# Altium PCB cheriot-test.PcbDoc (part 3 of 12) (continued)
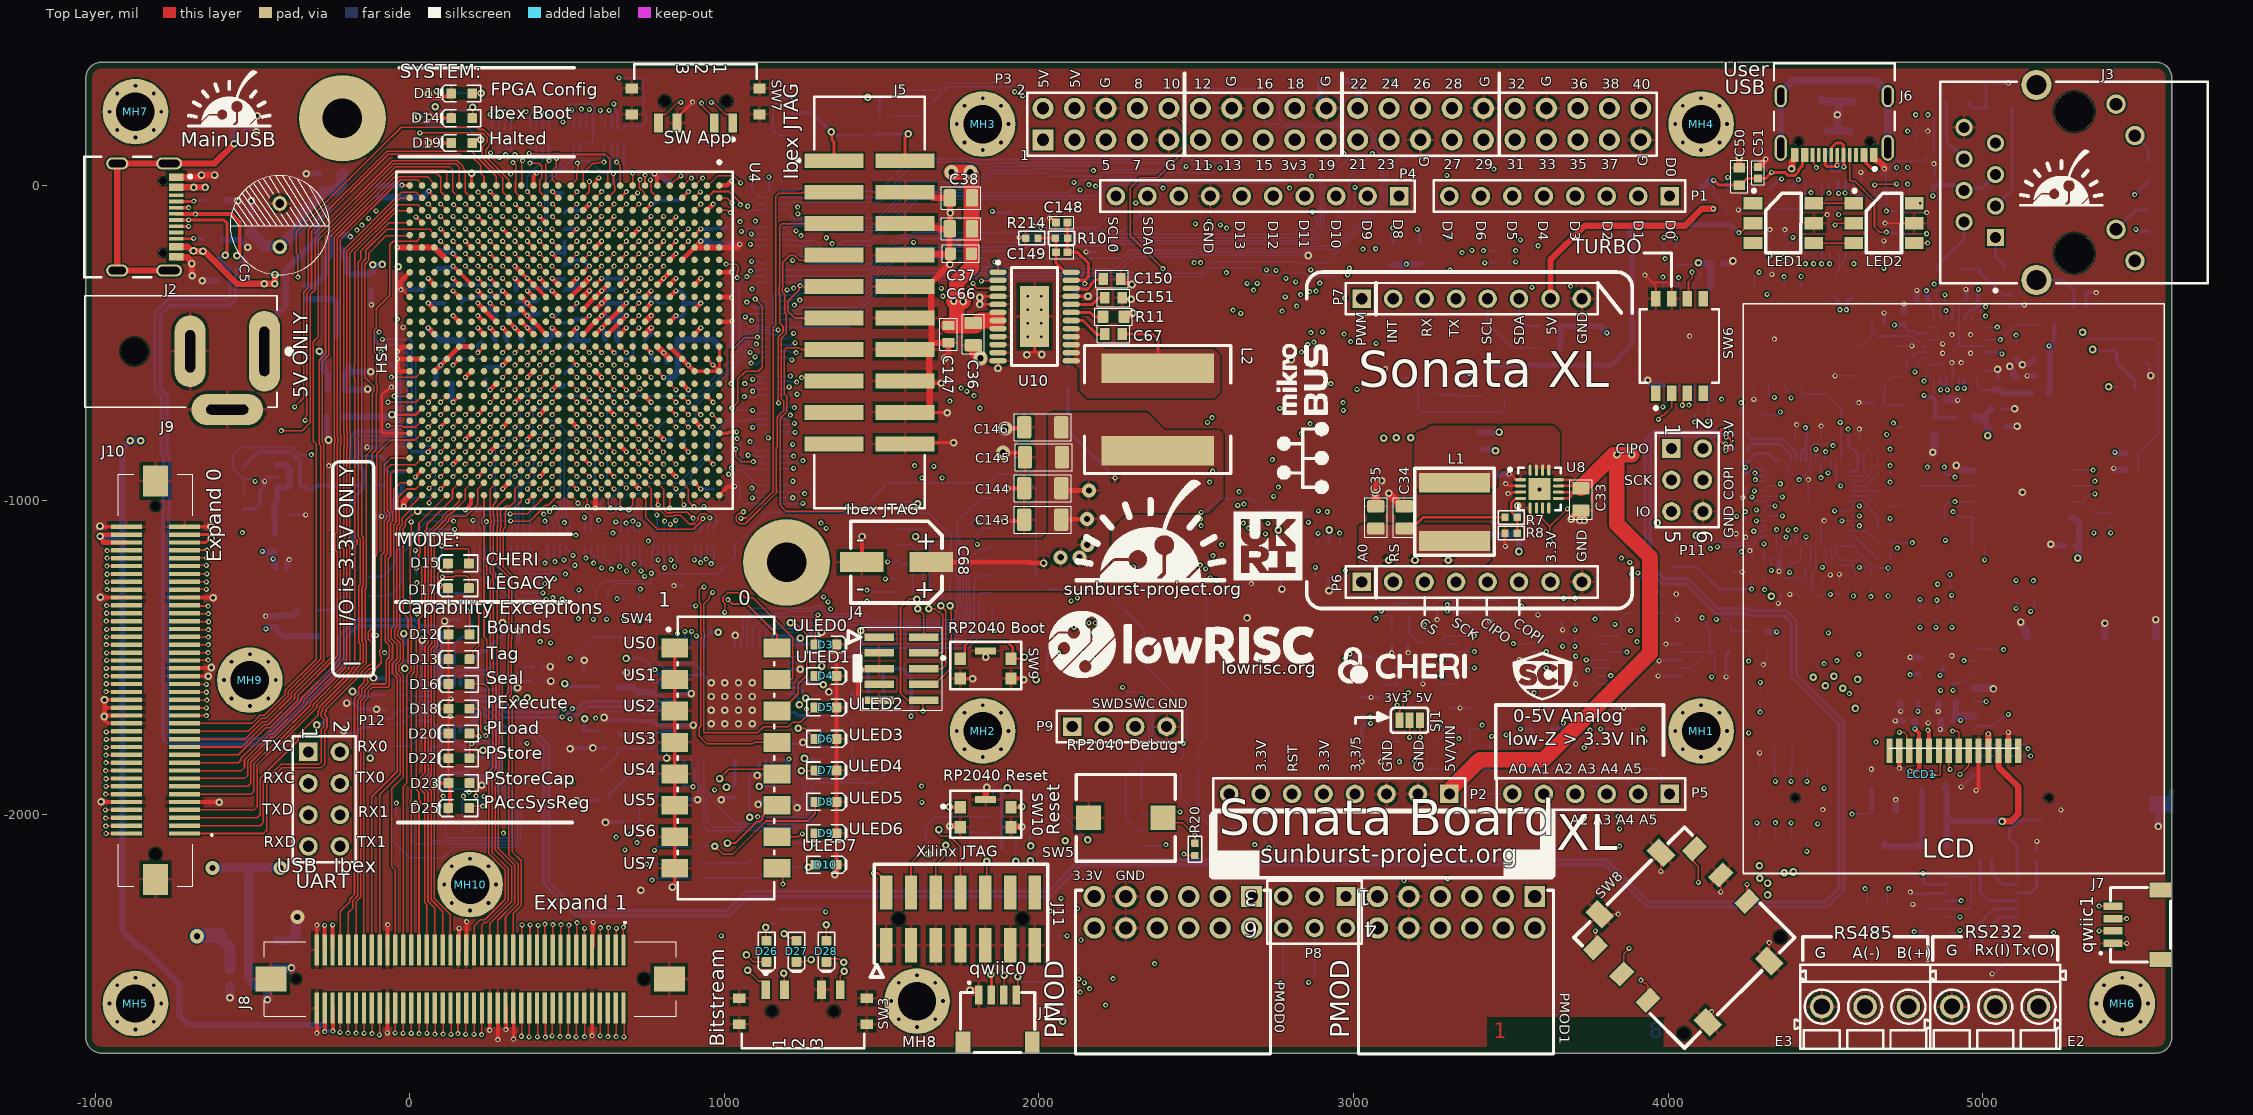
[diagram p0: Top Layer view]
## Nets (pads, with @x,y where several pads share a name; then routed paths per layer and width w, separated by ;. In a path a pad name is that pad's centre, name@x,y a point inside that pad or via, vN(x,y) a via of type N, cw(c..) or ccw(c..) an arc to the next point about the centre after c; other vN are vias at no path point) (continued)
  Bottom Layer w12: v1@255,-374 255.14,-374.14 255.14,-375.86 255,-376 255,-391.22 C22.1@277.17,-413.39 ; v1(454.39,-19.69) 455.47,-19.69 458.52,-22.73 483.73,-22.73 C156.1@486,-25 ; C23.1@492.13,-252.76 498.72,-246.16 514.37,-246.16 523.63,-236.91 551.87,-236.91 v1(570.87,-255.91) 570.96,-256 v1@572,-256 ; C27.1@492.13,-140.95 494.51,-138.56 530.44,-138.56 v1@531,-138 ; v1(4769.28,-1554.5) C121.1@4800.98,-1554.5 ; v1(4793.54,-1671.62) C113.1@4793.54,-1639.92 ; v1(4864.57,-1556.77) 4864.57,-1555.69 4869.39,-1550.87 4869.39,-1537.48 C122.1@4875.98,-1530.88
  Bottom Layer w20: v1(-468,-1163) -467.6,-1163.4 -436.13,-1163.4 L3.1@-428.02,-1163.4 -431.4,-1163.4 -434,-1166 v1(-434,-1187) -428.72,-1192.28 -428.72,-1212.06 C56.1@-426.13,-1214.66 ; v1(-457,-1409) -454.11,-1406.11 C141.1@-423,-1406.11 ; C141.1@-426.44,-1409.56 -403.66,-1432.34 Y2.1@-356.48,-1432.34 Y2.4@-291.52,-1432.34 ; C157.1@-209,-735 -64.08,-735 -57.08,-728 v2@-57,-728 ; C155.1@-98.43,-37.8 41.2,-37.8 v1(61,-18) ; C29.1@89.6,-208.79 131.79,-208.79 v1@141,-218 ; C158.1@133.86,-629.92 133.86,-680.86 v1@138,-685 ; v1@810,-612 836,-612 852.13,-595.87 C28.1@852.13,-489.69 966.06,-489.69 978,-501.62 C111.1@978,-508 ; R206.2@3124.41,-251.65 3165.75,-251.65 v1(3167.72,-249.69) R207.2@3211.02,-249.69 ; U9.3@3421.14,-1110.47 3503.78,-1110.47 3510.24,-1104.02 C30.1@3514.17,-1104.02 3518.11,-1104.02 3522.87,-1108.78 3522.87,-1119.23 3525.05,-1121.4 3525.05,-1162.48 v2(3525.81,-1163.24) ; R208.1@3657.87,-517.4 R209.1@3657.87,-446.54 3785.36,-446.54 3805.21,-466.39 v1(3805.21,-468.11) ; v2(4096.1,-245.74) 4097.18,-245.74 4098.76,-247.32 4135.28,-247.32 C91.1@4137.87,-249.92 4133.51,-254.29 U19.8@4133.51,-325.37 ; L7.1@4314.72,-1415.97 4314.72,-1416.38 4317.32,-1418.98 v1(4344.88,-1418.98) ; C112.1@4784.09,-1699.92 4784.31,-1700.13 v1(4784.31,-1726.82) ; C114.1@4904.09,-1699.92 C114.1@4913.54,-1690.47 ; C115.1@4913.54,-1639.92 C114.1@4913.54,-1690.47 ; SD1.4@4970.88,-1686.69 4967.61,-1683.43 4920.59,-1683.43 C114.1@4913.54,-1690.47 ; C125.1@5007.47,-751.49 5007.47,-730.29 C129.1@5027.87,-709.89 ; v2(5015.98,-794.92) 5015.98,-768.82 C125.1@5018.43,-766.38 ; U17.8@5280.53,-1054.92 5282.81,-1057.2 5294.27,-1057.2 5305.98,-1068.91 C80.1@5305.98,-1144.92 ; C80.1@5294.09,-1144.92 5304.96,-1155.78 5304.96,-1179.59 5301.48,-1183.07 v2(5301.48,-1184.15) ; v1(5419.69,-848.11) 5423.62,-852.05 R193.1@5455.12,-852.05 R193.1@5453.31,-850.24
  Bottom Layer w25: L9.1@4975.98,-734.92 4975.98,-740.43 4976.08,-740.53 4996.52,-740.53 C125.1@5007.47,-751.49
  other v1: -270,-2352 -245,-2350 4823.76,-895.09 601.16,24.07
  other v2: 3112.19,-1190.88 3195.28,-1190.63 3301.16,-1190.88
232_RX: U4.U1 U7.9 | length 6418.2
  Top Layer w5: U4.U1@354.33,0 356.9,2.56 356.9,76.64 v1(359,78.74)
  Int1 (Sign) w5: v1(2742.17,-871.17) 2743.42,-869.92 3636.78,-869.92 3924.44,-1157.58 3973.64,-1157.58 4982.68,-2166.61 4982.68,-2364.87 4979.75,-2367.8 v1(4927.56,-2367.8)
  Int3 (Sign) w5: v1(2542.5,-942.79) 2542.71,-943 2682,-943 2742.04,-882.96 2742.04,-871.3 v1(2742.17,-871.17)
  Int4 (Sign) w5: v1(359,78.74) 359.2,78.54 367.62,78.54 375.58,86.5 388.42,86.5 396.38,78.54 421.19,78.54 434.87,64.87 436.49,63.24 465.16,63.24 491.92,90 735.93,90 796.93,151 1155.57,151 1516.57,-210 1842.8,-210 1845.3,-207.5 1915.15,-207.5 1918.15,-210.5 1955.85,-210.5 1958.85,-207.5 1999.54,-207.5 2002.04,-210 2067.86,-210 2112.86,-255 2222.51,-255 2224.01,-256.5 2269.99,-256.5 2271.49,-255 2381.08,-255 2387.58,-248.5 2400.42,-248.5 2406.92,-255 2408.87,-255 2427.5,-273.63 2427.5,-278.78 2490,-341.28 2490,-774.28 2504,-788.28 2504,-904.5 2542.29,-942.79 v1(2542.5,-942.79)
  Bottom Layer w5: U7.9@4884.25,-2375.67 4916.71,-2375.67 4924.58,-2367.8 v1(4927.56,-2367.8)
232_TX: U4.N4 U7.11 | length 6476.8
  Top Layer w5: U4.N4@511.81,-118.11 v1(531.5,-98.43)
  Int1 (Sign) w5: 2506.78,-1075.53 2490,-1058.75 2490,-991 2521.5,-959.5 2622.04,-959.5 2624.08,-957.46 2636.92,-957.46 2642.92,-957.46 2652,-966.54 2652,-972.54 2652.42,-972.96 2752.42,-972.96 2753.46,-974 2881.73,-974 2897.2,-958.53 3132.47,-958.53 3144.52,-970.58 3478.07,-970.58 3485.07,-963.58 3565.51,-963.58 3582.55,-946.54 3699.25,-946.54 3920.3,-1167.58 3969.5,-1167.58 4557.17,-1755.25 4557.17,-1807.82 4891.48,-2142.14 4891.48,-2288.41 v1(4927.56,-2324.49) ; 2506.83,-1075.53 2512.24,-1080.94 v1(2515.21,-1080.94)
  Int4 (Sign) w5: v1@530,-98 529.57,-98.43 494.43,-98.43 482.07,-86.07 482.07,18.93 491.35,28.21 577.29,28.21 586.37,19.13 586.37,16.94 594.74,8.57 700.19,8.57 724.35,32.73 724.35,41.35 731.87,48.87 751.37,48.87 813.5,111 1139,111 1531,-281 1913.5,-281 1927.5,-295 2205.94,-295 2207.44,-296.5 2286.56,-296.5 2288.06,-295 2310,-295 2357,-342 2357,-1001 2436.91,-1080.91 v1(2515.21,-1080.94)
  Bottom Layer w5: U7.11@4884.25,-2324.49 v1(4927.56,-2324.49)
485_DE: U3.3 U4.T4 | length 6458.8
  Top Layer w5: v1(374.02,-98.43) U4.T4@393.7,-118.11
  Int1 (Sign) w5: v1(2493,-245.23) 2493,-209.5 2575.5,-127 v1@2577,-127
  Int3 (Sign) w5: v1(374.02,-98.43) 348.52,-72.93 348.52,-69.68 351.78,-66.42 351.78,-53.58 348.52,-50.32 348.52,6.26 519.25,177 552,177 579,204 637.58,204 642.19,208.61 665.96,208.61 670.09,212.74 758.46,212.74 765.51,219.78 765.51,315.51 781.36,331.36 ; 782,330.71 1294.29,330.71 1692.5,-67.5 1726.08,-67.5 1737.5,-78.92 1737.5,-92.64 1756.36,-111.5 1774.78,-111.5 1790.78,-127.5 1896.01,-127.5 1914.01,-109.5 1967.97,-109.5 1973.8,-103.67 2011.73,-103.67 2036.06,-128 2097.94,-128 2110.44,-115.5 2285.56,-115.5 2298.32,-128.26 2299.79,-129.73 2303.93,-129.73 2459.69,-112.28 2463.24,-111.85 2490.54,-106.54 2503.38,-106.54 2534.58,-129.73 v1@2573.45,-129.73 ; v1(2577,-125.5) 2577,-128 v1@2580,-131 ; v1(3845.74,-2044.92) 4320.98,-2044.92 v1(4340.98,-2024.92)
  Int6 (Sign) w5: v1(2493,-245.23) 2493,-333.57 2525.92,-366.49 2525.92,-367.5 2534,-375.58 2534,-391.12 2594.62,-451.74 2603.4,-451.74 2615,-463.35 2615,-973 2621,-979 2621,-979.38 2632.81,-991.19 2653.19,-991.19 2668,-1006 2668,-1031.86 2657.18,-1042.68 2624.32,-1042.68 2595,-1072 2595,-1105 2745,-1255 2745,-1282.86 2776.91,-1314.77 2777.1,-1314.77 2868,-1405.67 2868,-1841.94 2945.98,-1919.92 2945.98,-1985.78 2985.13,-2024.92 3820.98,-2024.92 3830.64,-2034.57 3834.17,-2034.57 3844.52,-2044.92 v1(3845.74,-2044.92)
  Bottom Layer w5: U3.3@4340.58,-2071.14 4340.98,-2070.74 v1(4340.98,-2024.92)
485_DI: U3.4 U4.U2 | length 5880.8
  Top Layer w5: v1(328,73) 330,73 336.5,66.5 336.5,12.69 336.4,12.59 336.4,-21.44 U4.U2@354.33,-39.37
  Int3 (Sign) w5: v1(3845.98,-2099.92) 3830.24,-2084.18 3830.24,-2028.59 3833.17,-2025.66 v1(4282,-2025.66)
  Int4 (Sign) w5: v1(328,73) 330.4,73 340.16,63.24 367.84,63.24 375.58,55.5 430.09,55.5 432.35,53.24 658.59,53.24 685.35,80 740.08,80 801.08,141 1151.43,141 1518.43,-226 1700.28,-226 1704.78,-221.5 1845.44,-221.5 1849.44,-217.5 1911.01,-217.5 1958.51,-265 2218.37,-265 2219.87,-266.5 2274.13,-266.5 2275.63,-265 2330,-265 2392.07,-327.07 2392.07,-885.93 2531,-1024.86 2531,-1092.24 v1(2580.5,-1141.74)
  Int6 (Sign) w5: v1(2580.5,-1141.74) 2715.68,-1276.92 2724.92,-1276.92 2858,-1410 2858,-1911.94 2867.7,-1921.63 2867.7,-1949.27 2968.34,-2049.92 3795.98,-2049.92 v1(3845.98,-2099.92)
  Bottom Layer w5: v1(4282,-2025.66) 4282.57,-2025.66 4290.58,-2033.67 U3.4@4290.58,-2071.14
485_REn: U3.2 U4.T3 | length 6395.5
  Top Layer w5: v1(374.02,-59.06) U4.T3@393.7,-78.74
  Int1 (Sign) w5: v1(2514,-245.23) 2514.5,-244.73 2514.5,-218 2596.5,-136 v1(2596.5,-135.5)
  Int3 (Sign) w5: v1(374.02,-59.06) 358.52,-43.56 358.52,-13.26 374.78,3 385,3 405.87,23.87 415.73,23.87 462.36,70.5 472.42,70.5 481.5,79.58 481.5,89.64 585.86,194 641.72,194 646.33,198.61 670.1,198.61 674.23,202.74 762.6,202.74 767.86,208 771.56,208 779.28,215.72 779.28,310.28 788,319 1290,319 1298,311 ; 1298.5,311.5 1698.5,-88.5 1698.5,-95.08 1709.92,-106.5 1716.5,-106.5 1731.5,-121.5 1770.64,-121.5 1786.64,-137.5 1900.15,-137.5 1918.15,-119.5 1972.11,-119.5 1977.94,-113.67 2007.59,-113.67 2031.92,-138 2102.09,-138 2114.59,-125.5 2281.41,-125.5 2295.64,-139.73 2564.7,-139.73 2565.97,-141 2588.52,-141 2594.02,-135.5 v1(2596.5,-135.5) ; v1(3840.98,-2004.92) 4369.84,-2004.92 v1(4390.58,-2025.66)
  Int6 (Sign) w5: v1(2514,-245.23) 2516,-247.23 2516,-342.43 2535.92,-362.34 2535.92,-363.36 2544,-371.44 2544,-386.98 2598.77,-441.74 2607.54,-441.74 2628,-462.2 2628,-708.07 2639,-719.07 2639,-953.54 2680,-994.54 2680,-1034 2657,-1057 2625,-1057 ; 2624.57,-1056.57 2605,-1076.14 2605,-1087.7 2879.59,-1362.3 2879.59,-1808.53 2955.98,-1884.92 2955.98,-1981.64 2984.27,-2009.92 3835.98,-2009.92 v1(3840.98,-2004.92)
  Bottom Layer w5: U3.2@4390.58,-2071.14 v1(4390.58,-2025.66)
485_RO: U3.1 U4.P1 | length 6053.2
  Top Layer w5: v1(466,86) 466,59.46 452.76,46.22 452.76,19.68 U4.P1@472.44,0
  Int1 (Sign) w5: v1(2746,-988.46) 2748.98,-988.46 2756.78,-996.26 2986.69,-996.26 3012.01,-1021.58 3421.79,-1021.58 3462.72,-1062.52 3509.23,-1062.52 3539.65,-1092.93 3608.91,-1092.93 3609.7,-1092.14 3784.15,-1092.14 3804.95,-1112.93 3851.51,-1112.93 3916.15,-1177.58 3965.36,-1177.58 4004.74,-1216.96 4004.74,-1248.76 4123.48,-1367.5 4123.48,-1371.26 4163.37,-1411.15 4163.37,-1580.69 4321.85,-1739.16 4382.49,-1739.16 4527.66,-1884.32 4527.66,-2029.55 v1(4440.58,-2116.62)
  Int4 (Sign) w5: v1(466,86) 480,100 731.79,100 792.79,161 1159.71,161 1520.71,-200 1838.65,-200 1841.15,-197.5 1919.3,-197.5 1922.3,-200.5 1951.7,-200.5 1954.7,-197.5 2032.36,-197.5 2034.86,-200 2072,-200 2117,-245 2226.65,-245 2228.15,-246.5 2265.85,-246.5 2267.35,-245 2376.94,-245 2383.44,-238.5 2404.56,-238.5 2410.31,-244.25 2412.26,-244.25 2437.5,-269.49 2437.5,-274.64 2500,-337.14 2500,-770.14 2514,-784.14 2514,-797.13 2542,-825.13 2542,-896.08 2536.5,-901.58 2536.5,-914.42 2545.58,-923.5 2549.15,-923.5 2558,-932.35 2558,-997.99 2558.7,-998.69 2558.7,-1074.26 2595,-1110.56 2595,-1120.17 2603.83,-1129 2661.86,-1129 2693.88,-1096.98 2701.48,-1089.37 2701.48,-1066.18 2695,-1059.7 2695,-1039 2745.54,-988.46 v1(2746,-988.46)
  Bottom Layer w5: v1(4440.58,-2116.62) U3.1@4440.58,-2071.14
+1V85_XADC_VCC: C58.1 C59.1 C139.1 R37.1 U4.M12 U14.1 U15.5 | length 2066.9
  Top Layer w12: U4.M12@551.18,-433.07 v1(570.87,-413.39)
  Int3 (Sign) w12: v1@-93.88,-522.75 -77.13,-506 539,-506 570.87,-474.13 v1(570.87,-413.39)
  Bottom Layer w12: R37.1@-527.23,-894.11 -480.12,-847 -379,-847 -349,-877 -349,-953 -344.49,-957.51 -329.54,-957.51 -327,-960.05 U15.5@-327,-965 ; U15.5@-319,-967 -309.68,-967 -296.5,-953.82 U14.1@-148.46,-953.82 -148.46,-904.76 -187,-866.21 -187,-800.47 -168.53,-782 -41.03,-782 -30.21,-771.18 -30.21,-598.82 -92,-537.03 -92,-528.5 v1(-91.5,-528) ; C59.1@-183,-1045.44 -183,-996.24 U14.1@-147.76,-961 ; C139.1@486.5,-436.25 517.1,-436.25 529.35,-424 559.17,-424 570.17,-413 v1@572,-413
AH_AN0: P5.6 P6.1 R75.1 R77.1 | length 992.8
  Int4 (Sign) w5: P6.1@3025.98,-1259.92 3025.98,-1623.4 3193.98,-1791.4 v1(3193.98,-1828.92)
  Bottom Layer w5: v1(3193.98,-1828.92) 3218.45,-1853.39 R75.1@3243.23,-1853.39 R77.1@3306.3,-1853.39 3308.27,-1853.39 3388.82,-1933.94 P5.6@3504.72,-1933.94
AH_AN1: P5.5 R83.1 R84.1 | length 268.7
  Bottom Layer w5: R84.1@3369.36,-1853.39 R83.1@3432.43,-1853.39 3434.4,-1853.39 3465.93,-1884.92 3555.71,-1884.92 P5.5@3604.72,-1933.94
AH_AN2: P5.4 R89.1 R91.1 | length 236.1
  Bottom Layer w5: R89.1@3506.3,-1853.39 R91.1@3569.36,-1853.39 3594.45,-1853.39 3603.34,-1862.28 3603.34,-1869.71 3638.55,-1904.92 3650.98,-1904.92 3669.66,-1923.59 3694.38,-1923.59 P5.4@3704.72,-1933.94
AH_AN3: P5.3 R97.1 R98.1 | length 205.7
  Bottom Layer w5: R98.1@3632.43,-1853.39 R97.1@3695.49,-1853.39 3697.46,-1853.39 3752.92,-1908.84 3777.45,-1908.84 3802.55,-1933.94 P5.3@3804.72,-1933.94
AH_AN4: P5.2 R104.1 R105.1 | length 181.2
  Bottom Layer w5: R104.1@3761.95,-1849.35 R104.1@3765.98,-1853.39 R105.1@3829.05,-1853.39 3829.97,-1853.39 3904.72,-1928.14 P5.2@3904.72,-1933.94
AH_AN5: P5.1 R111.1 R112.1 | length 164.7
  Bottom Layer w5: R112.1@3892.11,-1853.39 R111.1@3955.18,-1853.39 3956.1,-1853.39 3971.17,-1868.46 3971.17,-1869.38 3977.7,-1875.9 3977.7,-1906.91 P5.1@4004.72,-1933.94
AH_TMPIO0: P1.1 R188.1B | length 4483.5
  Int1 (Sign) w5: v1(560,-1184.5) 560,-1261 571,-1272 571,-1370.08 568.5,-1372.58 568.5,-1385.42 577.58,-1394.5 687.42,-1394.5 696.5,-1385.42 696.5,-1383.89 716.39,-1364 886.8,-1364 894.3,-1371.5 923.7,-1371.5 931.2,-1364 963.86,-1364 990.36,-1390.5 993.22,-1390.5 999.72,-1397 1046,-1397 1058.07,-1409.07 1218.51,-1409.07 1218.58,-1409 1279,-1409 1288.09,-1399.91 1403.12,-1399.91 1407.54,-1395.5 1522.57,-1395.5 1557.75,-1360.32 1557.75,-1331.4 1612.14,-1277 1617,-1277 ; 1617,-1278 1786,-1278 1881,-1183 1881,-1168.72 2009.93,-1039.79 2009.93,-947.21 2176.14,-781 2228.14,-781 2233.32,-775.82 2522.76,-775.82 2525.44,-778.5 2546.56,-778.5 2549.24,-775.82 2562.38,-775.82 2585.5,-752.7 2585.5,-742.45 2824.47,-503.48 2852.32,-503.48 v1(2854.41,-505.57)
  Int4 (Sign) w5: v1(2854.41,-505.57) 2857.39,-505.57 2865.32,-513.5 2923.18,-513.5 2946.68,-537 3629.55,-537 3824.72,-341.83 3824.72,-213.94 P1.1@4004.72,-33.94
  Bottom Layer w5: R188.1B@558.07,-1147.13 558.07,-1182.57 v1(560,-1184.5)
AH_TMPIO1: P1.2 R188.2B | length 4352.2
  Int1 (Sign) w5: v1(585,-1200) 585,-1351.07 587.93,-1354 890.94,-1354 898.44,-1361.5 919.56,-1361.5 927.06,-1354 976.08,-1354 994.58,-1372.5 1106.58,-1372.5 1109.01,-1370.07 1221.01,-1370.07 1240.85,-1389.91 1361.55,-1389.91 1372.45,-1379.02 1495.98,-1379.02 1610,-1265 1784.86,-1265 1871,-1178.86 1871,-1164.58 1999.93,-1035.65 1999.93,-943.07 2172,-771 2223.99,-771 2229.18,-765.82 2526.9,-765.82 2529.58,-768.5 2542.42,-768.5 2545.1,-765.82 2558.24,-765.82 2575.5,-748.56 2575.5,-738.31 2832.31,-481.5 2857.5,-481.5 v1(2874,-498)
  Int4 (Sign) w5: v1(2874,-498) 2892.96,-498 2899.96,-491 2914.82,-491 2950.82,-527 3625.41,-527 3814.72,-337.69 3814.72,-123.94 P1.2@3904.72,-33.94
  Bottom Layer w5: R188.2B@577.76,-1147.13 577.76,-1170.18 585,-1177.42 v1(585,-1200)
AH_TMPIO2: P1.3 R188.3B | length 4252.9
  Int1 (Sign) w5: v1(610,-1215.5) 610,-1335.07 616.43,-1341.5 892.58,-1341.5 902.58,-1351.5 915.42,-1351.5 925.42,-1341.5 1009,-1341.5 1025.5,-1358 1223.08,-1358 1244.99,-1379.91 1349.09,-1379.91 1387.5,-1341.5 1507.65,-1341.5 1595.29,-1253.86 1781.86,-1253.86 1861,-1174.72 1861,-1160.44 1989.93,-1031.51 1989.93,-938.93 2167.86,-761 2219.85,-761 2225.03,-755.82 2510.24,-755.82 2545.23,-720.82 2578.85,-720.82 2834.04,-465.63 2863.03,-465.63 v1(2864.67,-467.28)
  Int4 (Sign) w5: v1(2864.67,-467.28) 2878.39,-481 2918.96,-481 2954.96,-517 3234,-517 3251.32,-499.68 3638.59,-499.68 3804.72,-333.55 P1.3@3804.72,-33.94
  Bottom Layer w5: R188.3B@597.44,-1147.13 597.44,-1182.43 610,-1194.99 v1(610,-1215.5)
AH_TMPIO3: P1.4 R188.4B | length 4111.8
  Int1 (Sign) w5: v1(641,-1219.6) 643.1,-1221.7 643.1,-1234.7 646,-1237.6 646,-1278.08 688.92,-1321 887.94,-1321 898.44,-1310.5 919.56,-1310.5 930.06,-1321 984.58,-1321 1008.08,-1297.5 1019.5,-1297.5 1052.74,-1264.26 1052.74,-1137.85 1113.24,-1077.34 1113.24,-1076.24 1138.49,-1051 1226.15,-1051 1231.15,-1056 1268.85,-1056 1273.85,-1051 1370.8,-1051 1376.3,-1056.5 1405.7,-1056.5 1411.2,-1051 1664.28,-1051 1667.66,-1047.63 1945.53,-1047.63 1969.93,-1023.22 1969.93,-930.64 2164.75,-735.82 2501.95,-735.82 2536.95,-700.82 2570.56,-700.82 2834.89,-436.5 2889.07,-436.5 2901,-448.43 v1(2901,-465.5)
  Int4 (Sign) w5: v1(2901,-465.5) 2902.5,-464 2919,-464 2942.95,-487.95 2976.42,-487.95 2985.5,-478.87 2985.5,-471.63 3012.13,-445 3482.5,-445 3491.5,-436 3567,-436 3586,-417 3586,-341.06 3592.5,-334.56 3592.5,-241.04 3704.72,-128.82 P1.4@3704.72,-33.94
  Bottom Layer w5: R188.4B@617.13,-1147.13 617.13,-1179.77 638.95,-1201.6 638.95,-1217.55 v1(641,-1219.6)
AH_TMPIO4: P1.5 R189.1B | length 3884.6
  Int1 (Sign) w5: v1(667,-1211) 667,-1242.46 660,-1249.46 660,-1277.94 693.06,-1311 883.8,-1311 894.3,-1300.5 923.7,-1300.5 934.2,-1311 979.94,-1311 1003.44,-1287.5 1015.36,-1287.5 1042.74,-1260.12 1042.74,-1133.71 1103.24,-1073.2 1103.24,-1072.1 1134.35,-1041 1230.3,-1041 1235.3,-1046 1264.7,-1046 1269.7,-1041 1374.94,-1041 1380.44,-1046.5 1401.56,-1046.5 1407.06,-1041 1660.14,-1041 1663.52,-1037.63 1941.38,-1037.63 1959.93,-1019.08 1959.93,-926.5 2160.61,-725.82 2497.81,-725.82 2532.81,-690.82 2566.42,-690.82 2849.74,-407.5 2895.5,-407.5 2998,-305 3239.59,-305 3329.5,-215.09 3329.5,-206.58 3338.58,-197.5 3348.44,-197.5 3386.02,-159.92 3521.16,-159.92 3523.58,-157.5 3536.42,-157.5 3569,-190.08 3585.58,-190.08 v1(3587,-191.5)
  Int4 (Sign) w5: v1@3589,-192 3589,-189.5 3604.72,-173.78 P1.5@3604.72,-33.94
  Bottom Layer w5: v1(667,-1211) 667.76,-1210.24 667.76,-1195.5 672.76,-1190.5 R189.1B@672.76,-1147.13
AH_TMPIO5: P1.6 R189.2B | length 4013.5
  Int1 (Sign) w5: v1(689.33,-1225.28) 689.5,-1225.1 689.5,-1202.5 680,-1193 645.68,-1193 625.5,-1213.18 625.5,-1235.42 630.5,-1240.42 630.5,-1317.57 643.93,-1331 892.08,-1331 902.58,-1320.5 915.42,-1320.5 926.42,-1331.5 1140.16,-1331.5 1151.99,-1343.33 1264.1,-1343.33 1298.5,-1308.92 1298.5,-1303.04 1311.04,-1290.5 1316.92,-1290.5 1378.92,-1228.5 1672.5,-1228.5 1679.93,-1235.93 1777.21,-1235.93 1851,-1162.14 1851,-1156.29 1979.93,-1027.37 1979.93,-934.79 2168.9,-745.82 2506.09,-745.82 2541.09,-710.82 2574.7,-710.82 2832.53,-453 2855.93,-453 2857.16,-451.78 2871.09,-451.78 2882.55,-463.23 2882.55,-474.55 2894,-486 2909.27,-486 2917.27,-478 2917.27,-444.73 2965,-397 3278.02,-397 3280.95,-394.07 3280.95,-389.93 3280,-388.98 3280,-295 v1(3306,-269)
  Int6 (Sign) w5: v1(3306,-269) 3470.07,-269 3499.5,-239.57 3499.5,-55.5 P1.6@3512,-43
  Bottom Layer w5: v1(689.33,-1225.28) 689.94,-1224.66 689.94,-1209.78 692.44,-1207.28 R189.2B@692.44,-1147.13
AH_TMPIO6: P1.7 R189.3B | length 3579.9
  Int1 (Sign) w5: v1(713.08,-1203.08) 714.49,-1204.49 714.49,-1241.95 710.5,-1245.94 710.5,-1293.5 716,-1299 881.65,-1299 890.15,-1290.5 927.85,-1290.5 933.66,-1296.31 937.8,-1296.31 958.11,-1276 1012.72,-1276 1032.74,-1255.98 1032.74,-1129.56 1093.24,-1069.06 1093.24,-1067.96 1130.2,-1031 1234.44,-1031 1239.44,-1036 1260.56,-1036 1265.56,-1031 1379.08,-1031 1384.58,-1036.5 1397.42,-1036.5 1402.92,-1031 1623.08,-1031 1626.45,-1027.63 1937.24,-1027.63 1949.93,-1014.94 1949.93,-922.36 2156.47,-715.82 2493.67,-715.82 2528.66,-680.82 2562.28,-680.82 2845.6,-397.5 2887.48,-397.5 2956,-328.98 2956,-257 2974,-239 3156.48,-239 3164.48,-231 3261.85,-231 3297.5,-195.35 3297.5,-193.33 3311.95,-178.87 3311.95,-176.05 3404.72,-83.28 3404.72,-43.72 P1.7@3402,-41
  Bottom Layer w5: R189.3B@712.13,-1147.13 712.6,-1147.6 712.6,-1202.6 v1(713.08,-1203.08)
AH_TMPIO7: P1.8 R189.4B | length 3397.3
  Int1 (Sign) w5: v1(735,-1225) 753.53,-1225 761.58,-1216.95 774.42,-1216.95 783.5,-1226.03 783.5,-1230.18 783.5,-1245.08 797.92,-1259.5 830.58,-1259.5 833.58,-1256.5 846.42,-1256.5 849.42,-1259.5 998.64,-1259.5 1022.74,-1235.41 1022.74,-1125.42 1083.24,-1064.91 1083.24,-1063.82 1126.06,-1021 1238.58,-1021 1243.58,-1026 1256.42,-1026 1261.42,-1021 1311,-1021 1340,-992 1720.57,-992 1733.07,-979.5 1886.92,-979.5 1890.33,-982.91 1906.49,-982.91 1909.89,-979.5 1920.5,-979.5 1939.93,-960.07 1939.93,-918.22 2152.33,-705.82 2489.53,-705.82 2524.52,-670.82 2553.6,-670.82 2814.42,-410 2818.96,-410 2866.46,-362.5 2905.03,-362.5 2914.53,-353 2917.84,-353 2945,-325.84 2945,-282.86 2946,-281.86 2946,-252 2970.5,-227.5 3153.84,-227.5 3160.34,-221 3255,-221 3274.67,-201.33 3274.67,-194.23 3302.04,-166.86 v1(3302.04,-164.04)
  Int4 (Sign) w5: v1(3302.04,-164.04) 3303.38,-162.7 3303.38,-50.62 P1.8@3306,-48
  Bottom Layer w5: R189.4B@731.81,-1147.13 731.81,-1189.62 735,-1192.81 v1(735,-1225)
AH_TMPIO8: P4.1 R190.1B | length 2525.1
  Int1 (Sign) w5: v1(1225.41,-784.84) 1287.55,-784.84 1290.57,-787.86 1740.86,-787.86 1741.01,-788 1819.28,-788 1874.78,-732.5 1917.78,-732.5 2235,-415.28 2235,-221.92 2231.5,-218.42 2231.5,-116.5 2291.75,-56.25 2291.75,-23.25 2319,4 2385.08,4 2388.58,7.5 2623.04,7.5 2626.54,4 2787.08,4 2790.58,7.5 2824.04,7.5 2827.54,4 2905.92,4 2911.42,9.5 3010.42,9.5 3014.99,4.93 3143.07,4.93 3146,2 P4.1@3146,-13
  Bottom Layer w5: R190.1B@1177.13,-781.5 1178.8,-783.17 1223.74,-783.17 v1(1225.41,-784.84)
AH_TMPIO9: P4.2 R190.2B | length 2796.8
  Int1 (Sign) w5: v1(1222.97,-755.94) 1272.8,-755.94 1294.71,-777.86 1745.01,-777.86 1745.15,-778 1815.14,-778 1870.64,-722.5 1913.64,-722.5 2225,-411.14 2225,-226.06 2221.5,-222.56 2221.5,-109.53 2281.75,-49.27 2281.75,-19.11 2314.86,14 2380.94,14 2384.44,17.5 2627.18,17.5 2630.68,14 2782.94,14 2786.44,17.5 2842.36,17.5 2845.86,14 2901.78,14 2907.28,19.5 3014.56,19.5 3019.13,14.93 3184.07,14.93 3188,11 3188,-75 3184.86,-78.14 3088.93,-78.14 3054.79,-44 P4.2@3054,-44
  Bottom Layer w5: R190.2B@1177.13,-761.81 1200.97,-761.81 1203.47,-759.31 1219.6,-759.31 v1(1222.97,-755.94)
AH_TMPIO10: P4.3 R190.3B | length 3005.7
  Int1 (Sign) w5: v1(1210,-730) 1261,-730 1298.86,-767.86 1749.15,-767.86 1749.29,-768 1811,-768 1866.5,-712.5 1909.5,-712.5 2215,-407 2215,-230.2 2207.7,-222.9 2207.7,-18.6 2248.8,22.5 2309.22,22.5 2321.72,35 2559.94,35 2564.44,30.5 2585.56,30.5 2590.06,35 2749.28,35 2759.28,45 3168.14,45 3204,9.14 3204,-73.14 3189,-88.14 3084.79,-88.14 3076.15,-79.5 3014.5,-79.5 2979.28,-44.28 2953.28,-44.28 P4.3@2948,-39
  Bottom Layer w5: R190.3B@1177.13,-742.13 1197.87,-742.13 v1(1210,-730)
AH_TMPIO11: P4.4 R190.4B | length 3110.4
  Int1 (Sign) w5: v1(1222.5,-706.19) 1223.69,-705 1238,-705 1240.5,-702.5 1721.42,-702.5 1731.42,-692.5 1782.44,-692.5 1783.44,-693.5 1804.56,-693.5 1805.56,-692.5 1914.5,-692.5 2025.5,-581.5 2026.22,-581.5 2043.5,-564.22 2043.5,-563.5 2196,-411 2196,-125 2190,-119 2190,-22.15 2245.65,33.5 2306.07,33.5 2317.57,45 2564.08,45 2568.58,40.5 2581.42,40.5 2585.92,45 2745.14,45 2755.14,55 3172.28,55 3215,12.28 3215,-76.28 3193.14,-98.14 3067.07,-98.14 3058.43,-89.5 2900.29,-89.5 2856,-45.21 P4.4@2856,-33
  Bottom Layer w5: R190.4B@1177.13,-722.44 1184.02,-722.44 1201.27,-705.19 1221.5,-705.19 v1(1222.5,-706.19)
AH_TMPIO12: P4.5 R191.1B | length 2813.3
  Int1 (Sign) w5: v1(790,-1190) 790,-1215.2 793.5,-1218.7 793.5,-1240.93 802.07,-1249.5 826.44,-1249.5 829.44,-1246.5 850.56,-1246.5 853.56,-1249.5 994.5,-1249.5 1012.74,-1231.26 1012.74,-1121.28 1046.5,-1087.52 1046.5,-1086.42 1123.92,-1009 1163.86,-1009 ; 1167,-1008 1230.58,-1008 1243.58,-995 1261.42,-995 1274.42,-982 1716.43,-982 1730.43,-968 1866.24,-968 2123.24,-711 2133.01,-711 2148.19,-695.82 2214.32,-695.82 2255.14,-655 2292,-655 2387,-560 2387,-475.57 2525.98,-336.59 2664.53,-336.59 2667.03,-334.09 2680.91,-334.09 v1(2682.53,-332.47)
  Int6 (Sign) w5: v1(2682.53,-332.47) 2680.43,-330.36 2680.43,-319.47 2676.92,-315.96 2676.92,-304.95 2671.42,-299.45 2671.42,-107.24 2734.66,-44 P4.5@2746,-44
  Bottom Layer w5: R191.1B@788.07,-1147.13 790,-1149.06 789.04,-1150.02 789.04,-1189.04 v1(790,-1190)
AH_TMPIO13: P4.6 R191.2B | length 2768.8
  Int1 (Sign) w5: v1(810,-1215) 810,-1235.5 814,-1239.5 822.3,-1239.5 825.3,-1236.5 854.7,-1236.5 857.7,-1239.5 990.36,-1239.5 1002.74,-1227.12 1002.74,-1117.14 1035.5,-1084.37 1035.5,-1040.5 1054.5,-1021.5 1063.92,-1021.5 1066.42,-1019 1098.98,-1019 1118.98,-999 1159.72,-999 ; 1160,-999 1177,-982 1193.08,-982 1198.14,-976.94 1231.14,-976.94 1244.08,-964 1284.29,-964 1292.29,-972 1712.28,-972 1728.28,-956 1864.1,-956 2119.1,-701 2128.86,-701 2144.04,-685.82 2210.18,-685.82 2251,-645 2287.86,-645 2377,-555.86 2377,-471.43 2538.43,-310 2607,-310 2618.09,-321.09 2649.21,-321.09 2658.93,-311.37 v1(2661.42,-311.37)
  Int6 (Sign) w5: P4.6@2644.72,-33.94 2644.72,-47.2 2661.42,-63.89 v1(2661.42,-311.37)
  Bottom Layer w5: R191.2B@807.76,-1147.13 807.76,-1180.18 810,-1182.42 v1(810,-1215)